# Altium PCB ir-24v-shit5-7-v2.PcbDoc (part 4 of 5)
Units mm, origin at the board's own origin, x right, y up, seen from the top; angles counter-clockwise.
Board outline 326.8 x 258 mm, 2 copper layers (Top Layer, Bottom Layer); 1008 components, 31 nets, 2786 pads, 0 vias.
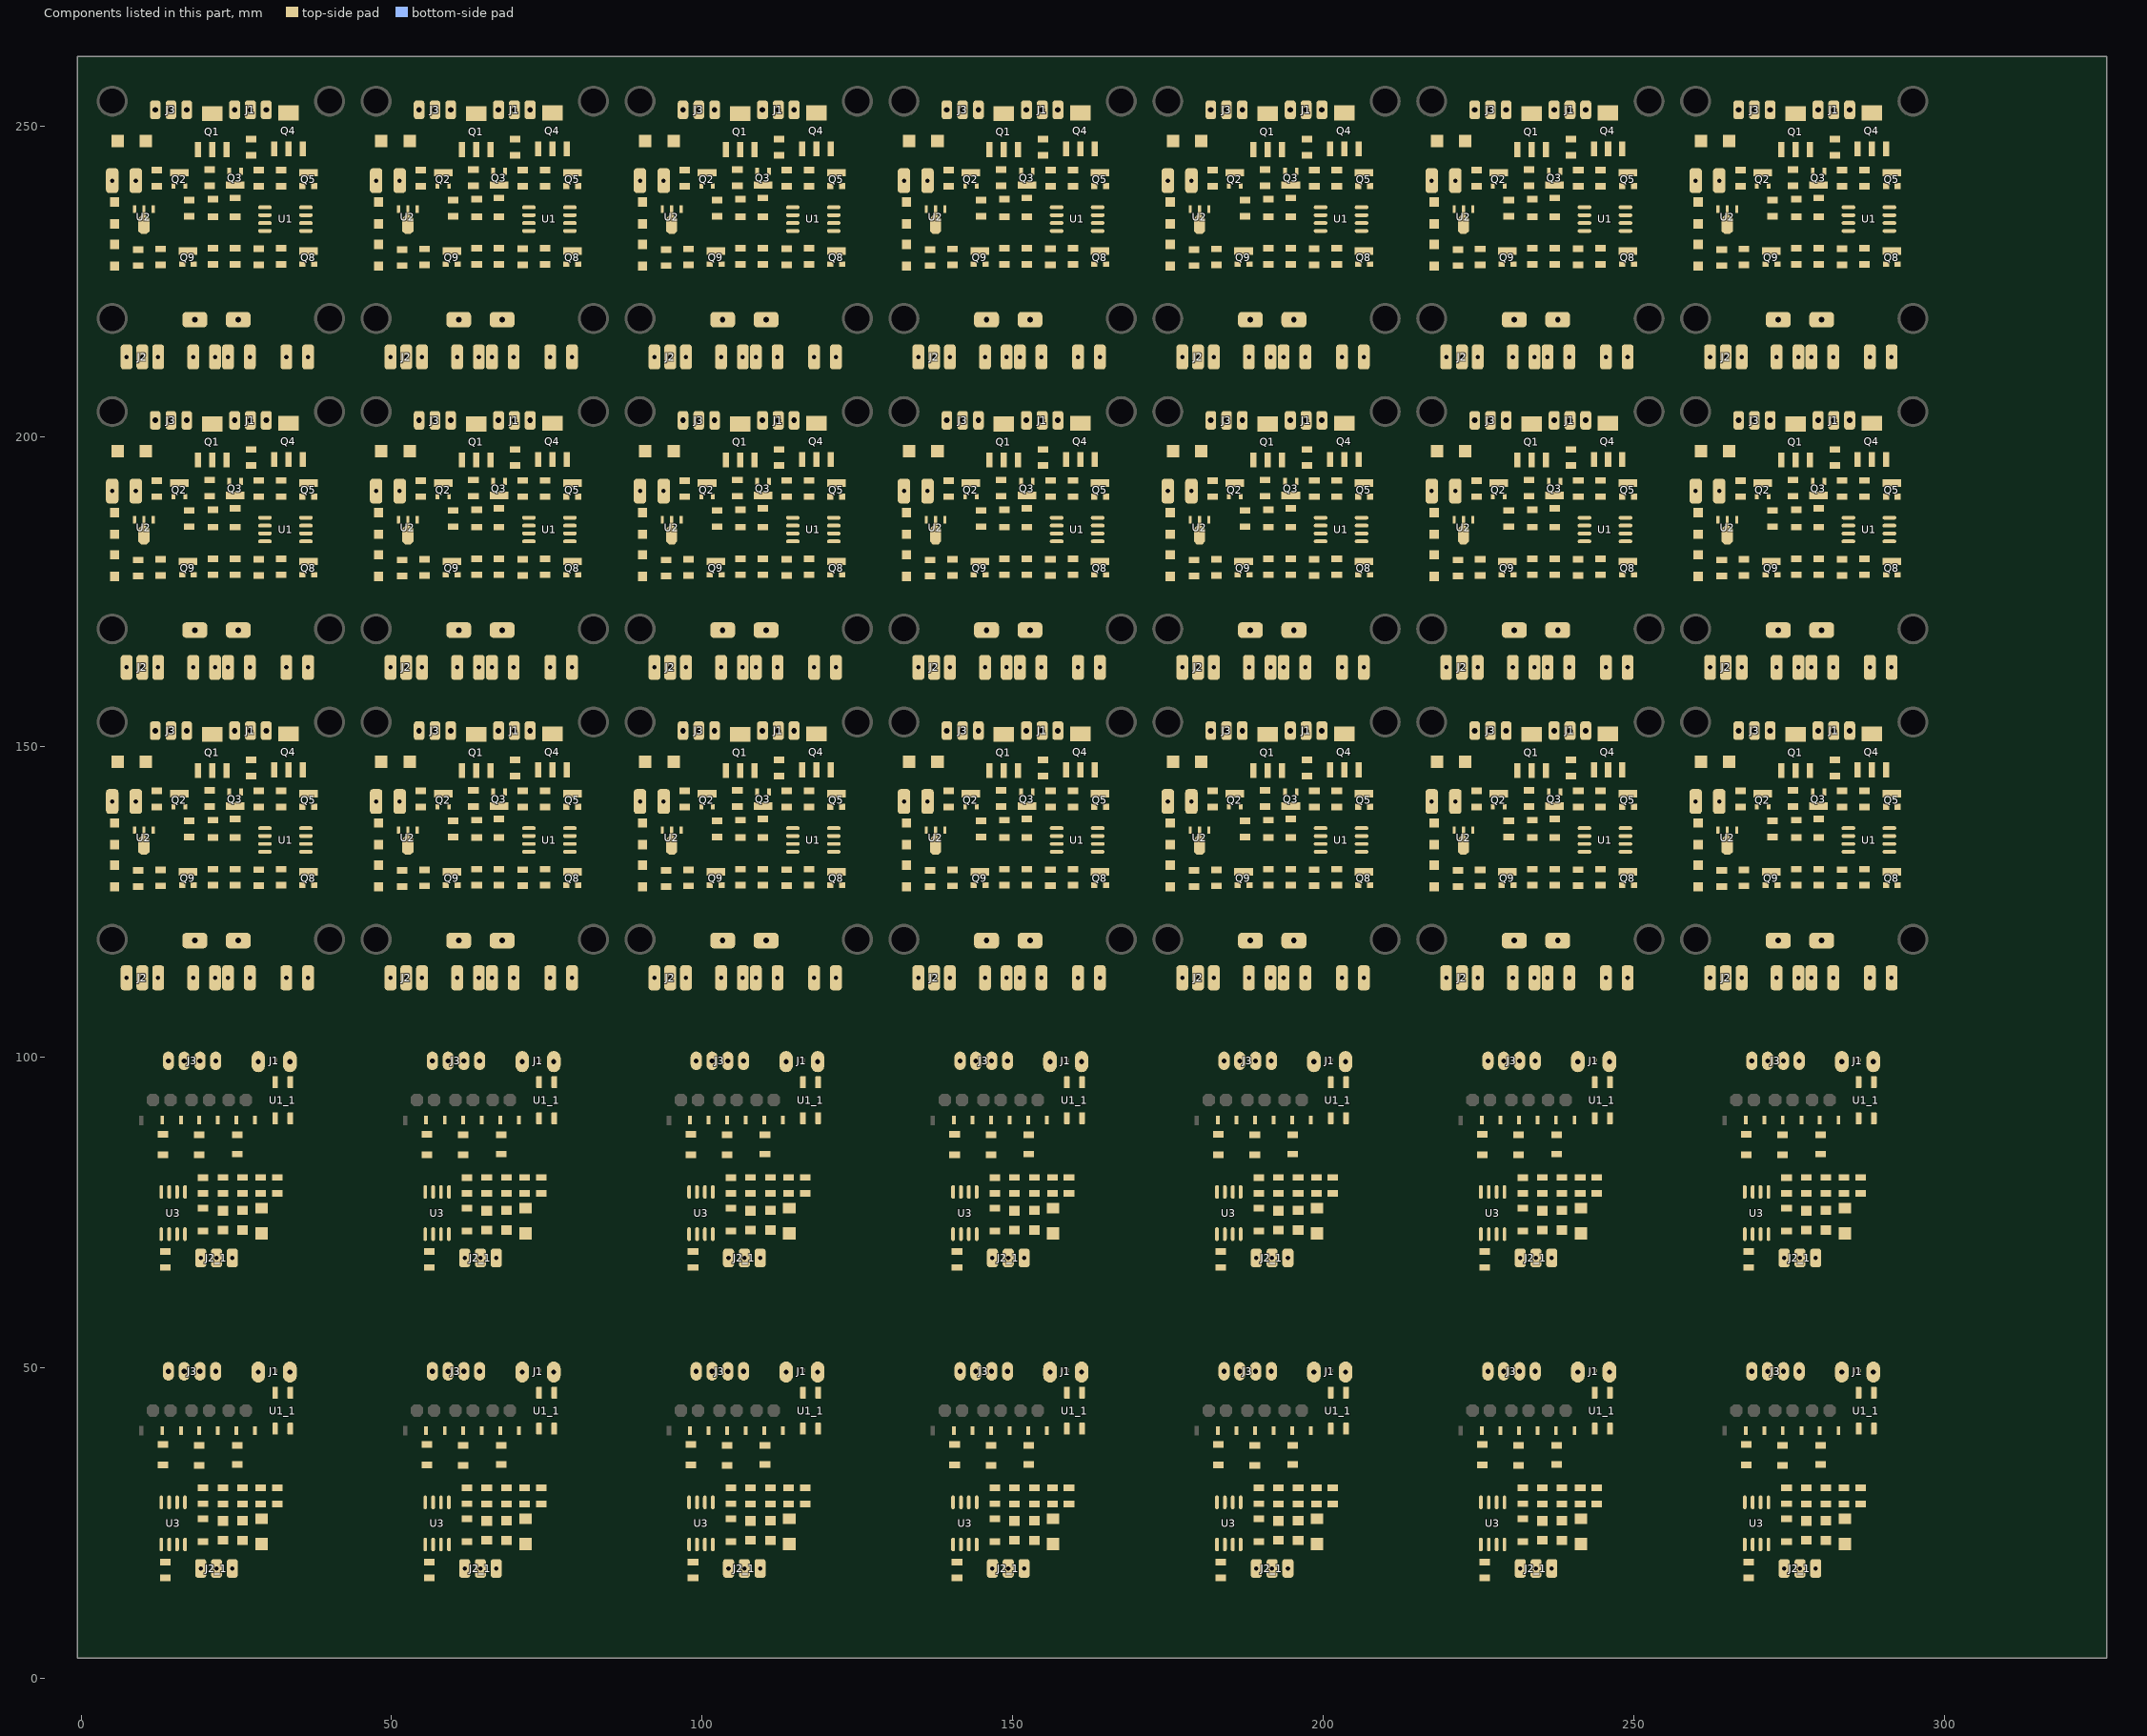
[diagram p4: the components of this part, seen from the top]

## Nets (pads, with @x,y where several pads share a name; then routed paths per layer and width w, separated by ;. In a path a pad name is that pad's centre, name@x,y a point inside that pad or via, vN(x,y) a via of type N, cw(c..) or ccw(c..) an arc to the next point about the centre after c; other vN are vias at no path point) (continued)
copper on no net: (continued)
  Top Layer w0.65: 12.908,21.516 12.908,21.519 12.908,23.31 ; 12.908,71.516 12.908,71.519 12.908,73.31 ; 14.178,28.319 14.178,31.355 14.173,31.36 14.173,33.621 14.178,33.626 ; 14.178,78.319 14.178,81.355 14.173,81.36 14.173,83.621 14.178,83.626 ; 15.448,19.458 15.448,20.744 ; 15.448,29.094 15.448,32.92 ; 15.448,69.458 15.448,70.744 ; 15.448,79.094 15.448,82.92 ; 16.718,28.451 16.718,31.396 17.861,32.539 20.401,32.539 22.263,34.401 25.122,34.401 ; 16.718,78.451 16.718,81.396 17.861,82.539 20.401,82.539 22.263,84.401 25.122,84.401 ; 55.408,21.516 55.408,21.519 55.408,23.31 ; 55.408,71.516 55.408,71.519 55.408,73.31 ; 56.678,28.319 56.678,31.355 56.673,31.36 56.673,33.621 56.678,33.626 ; 56.678,78.319 56.678,81.355 56.673,81.36 56.673,83.621 56.678,83.626 ; 57.948,19.458 57.948,20.744 ; 57.948,29.094 57.948,32.92 ; 57.948,69.458 57.948,70.744 ; 57.948,79.094 57.948,82.92 ; 59.218,28.451 59.218,31.396 60.361,32.539 62.901,32.539 64.763,34.401 67.622,34.401 ; 59.218,78.451 59.218,81.396 60.361,82.539 62.901,82.539 64.763,84.401 67.622,84.401 ; 97.908,21.516 97.908,21.519 97.908,23.31 ; 97.908,71.516 97.908,71.519 97.908,73.31 ; 99.178,28.319 99.178,31.355 99.173,31.36 99.173,33.621 99.178,33.626 ; 99.178,78.319 99.178,81.355 99.173,81.36 99.173,83.621 99.178,83.626 ; 100.448,19.458 100.448,20.744 ; 100.448,29.094 100.448,32.92 ; 100.448,69.458 100.448,70.744 ; 100.448,79.094 100.448,82.92 ; 101.718,28.451 101.718,31.396 102.861,32.539 105.401,32.539 107.263,34.401 110.122,34.401 ; 101.718,78.451 101.718,81.396 102.861,82.539 105.401,82.539 107.263,84.401 110.122,84.401 ; 140.408,21.516 140.408,21.519 140.408,23.31 ; 140.408,71.516 140.408,71.519 140.408,73.31 ; 141.678,28.319 141.678,31.355 141.673,31.36 141.673,33.621 141.678,33.626 ; 141.678,78.319 141.678,81.355 141.673,81.36 141.673,83.621 141.678,83.626 ; 142.948,19.458 142.948,20.744 ; 142.948,29.094 142.948,32.92 ; 142.948,69.458 142.948,70.744 ; 142.948,79.094 142.948,82.92 ; 144.218,28.451 144.218,31.396 145.361,32.539 147.901,32.539 149.763,34.401 152.622,34.401 ; 144.218,78.451 144.218,81.396 145.361,82.539 147.901,82.539 149.763,84.401 152.622,84.401 ; 182.908,21.516 182.908,21.519 182.908,23.31 ; 182.908,71.516 182.908,71.519 182.908,73.31 ; 184.178,28.319 184.178,31.355 184.173,31.36 184.173,33.621 184.178,33.626 ; 184.178,78.319 184.178,81.355 184.173,81.36 184.173,83.621 184.178,83.626 ; 185.448,19.458 185.448,20.744 ; 185.448,29.094 185.448,32.92 ; 185.448,69.458 185.448,70.744 ; 185.448,79.094 185.448,82.92 ; 186.718,28.451 186.718,31.396 187.861,32.539 190.401,32.539 192.263,34.401 195.122,34.401 ; 186.718,78.451 186.718,81.396 187.861,82.539 190.401,82.539 192.263,84.401 195.122,84.401 ; 225.408,21.516 225.408,21.519 225.408,23.31 ; 225.408,71.516 225.408,71.519 225.408,73.31 ; 226.678,28.319 226.678,31.355 226.673,31.36 226.673,33.621 226.678,33.626 ; 226.678,78.319 226.678,81.355 226.673,81.36 226.673,83.621 226.678,83.626 ; 227.948,19.458 227.948,20.744 ; 227.948,29.094 227.948,32.92 ; 227.948,69.458 227.948,70.744 ; 227.948,79.094 227.948,82.92 ; 229.218,28.451 229.218,31.396 230.361,32.539 232.901,32.539 234.763,34.401 237.622,34.401 ; 229.218,78.451 229.218,81.396 230.361,82.539 232.901,82.539 234.763,84.401 237.622,84.401 ; 267.908,21.516 267.908,21.519 267.908,23.31 ; 267.908,71.516 267.908,71.519 267.908,73.31 ; 269.178,28.319 269.178,31.355 269.173,31.36 269.173,33.621 269.178,33.626 ; 269.178,78.319 269.178,81.355 269.173,81.36 269.173,83.621 269.178,83.626 ; 270.448,19.458 270.448,20.744 ; 270.448,29.094 270.448,32.92 ; 270.448,69.458 270.448,70.744 ; 270.448,79.094 270.448,82.92 ; 271.718,28.451 271.718,31.396 272.861,32.539 275.401,32.539 277.263,34.401 280.122,34.401 ; 271.718,78.451 271.718,81.396 272.861,82.539 275.401,82.539 277.263,84.401 280.122,84.401
  Top Layer w0.7: 7.52,113.4 7.801,113.681 7.801,116.401 8.6,117.2 8.6,126.905 ; 7.52,163.4 7.801,163.681 7.801,166.401 8.6,167.2 8.6,176.905 ; 7.52,213.4 7.801,213.681 7.801,216.401 8.6,217.2 8.6,226.905 ; 8.6,127.167 8.6,126.905 ; 8.6,177.167 8.6,176.905 ; 8.6,227.167 8.6,226.905 ; 9.2,127.505 8.875,127.505 8.7,127.33 8.7,127.005 8.6,126.905 ; 9.2,177.505 8.875,177.505 8.7,177.33 8.7,177.005 8.6,176.905 ; 9.2,227.505 8.875,227.505 8.7,227.33 8.7,227.005 8.6,226.905 ; 13.487,34.317 14.178,33.626 ; 13.487,84.317 14.178,83.626 ; 15.448,32.92 16.802,34.274 ; 15.448,82.92 16.802,84.274 ; 28.4,140.2 31.2,140.2 32.6,140.2 34.2,138.6 37.84,138.6 38.25,138.19 38.25,136.045 37.84,135.635 36,135.635 ; 28.4,190.2 31.2,190.2 32.6,190.2 34.2,188.6 37.84,188.6 38.25,188.19 38.25,186.045 37.84,185.635 36,185.635 ; 28.4,240.2 31.2,240.2 32.6,240.2 34.2,238.6 37.84,238.6 38.25,238.19 38.25,236.045 37.84,235.635 36,235.635 ; 50.02,113.4 50.301,113.681 50.301,116.401 51.1,117.2 51.1,126.905 ; 50.02,163.4 50.301,163.681 50.301,166.401 51.1,167.2 51.1,176.905 ; 50.02,213.4 50.301,213.681 50.301,216.401 51.1,217.2 51.1,226.905 ; 51.1,127.167 51.1,126.905 ; 51.1,177.167 51.1,176.905 ; 51.1,227.167 51.1,226.905 ; 51.7,127.505 51.375,127.505 51.2,127.33 51.2,127.005 51.1,126.905 ; 51.7,177.505 51.375,177.505 51.2,177.33 51.2,177.005 51.1,176.905 ; 51.7,227.505 51.375,227.505 51.2,227.33 51.2,227.005 51.1,226.905 ; 55.987,34.317 56.678,33.626 ; 55.987,84.317 56.678,83.626 ; 57.948,32.92 59.302,34.274 ; 57.948,82.92 59.302,84.274 ; 70.9,140.2 73.7,140.2 75.1,140.2 76.7,138.6 80.34,138.6 80.75,138.19 80.75,136.045 80.34,135.635 78.5,135.635 ; 70.9,190.2 73.7,190.2 75.1,190.2 76.7,188.6 80.34,188.6 80.75,188.19 80.75,186.045 80.34,185.635 78.5,185.635 ; 70.9,240.2 73.7,240.2 75.1,240.2 76.7,238.6 80.34,238.6 80.75,238.19 80.75,236.045 80.34,235.635 78.5,235.635 ; 92.52,113.4 92.801,113.681 92.801,116.401 93.6,117.2 93.6,126.905 ; 92.52,163.4 92.801,163.681 92.801,166.401 93.6,167.2 93.6,176.905 ; 92.52,213.4 92.801,213.681 92.801,216.401 93.6,217.2 93.6,226.905 ; 93.6,127.167 93.6,126.905 ; 93.6,177.167 93.6,176.905 ; 93.6,227.167 93.6,226.905 ; 94.2,127.505 93.875,127.505 93.7,127.33 93.7,127.005 93.6,126.905 ; 94.2,177.505 93.875,177.505 93.7,177.33 93.7,177.005 93.6,176.905 ; 94.2,227.505 93.875,227.505 93.7,227.33 93.7,227.005 93.6,226.905 ; 98.487,34.317 99.178,33.626 ; 98.487,84.317 99.178,83.626 ; 100.448,32.92 101.802,34.274 ; 100.448,82.92 101.802,84.274 ; 113.4,140.2 116.2,140.2 117.6,140.2 119.2,138.6 122.84,138.6 123.25,138.19 123.25,136.045 122.84,135.635 121,135.635 ; 113.4,190.2 116.2,190.2 117.6,190.2 119.2,188.6 122.84,188.6 123.25,188.19 123.25,186.045 122.84,185.635 121,185.635 ; 113.4,240.2 116.2,240.2 117.6,240.2 119.2,238.6 122.84,238.6 123.25,238.19 123.25,236.045 122.84,235.635 121,235.635 ; 135.02,113.4 135.301,113.681 135.301,116.401 136.1,117.2 136.1,126.905 ; 135.02,163.4 135.301,163.681 135.301,166.401 136.1,167.2 136.1,176.905 ; 135.02,213.4 135.301,213.681 135.301,216.401 136.1,217.2 136.1,226.905 ; 136.1,127.167 136.1,126.905 ; 136.1,177.167 136.1,176.905 ; 136.1,227.167 136.1,226.905 ; 136.7,127.505 136.375,127.505 136.2,127.33 136.2,127.005 136.1,126.905 ; 136.7,177.505 136.375,177.505 136.2,177.33 136.2,177.005 136.1,176.905 ; 136.7,227.505 136.375,227.505 136.2,227.33 136.2,227.005 136.1,226.905 ; 140.987,34.317 141.678,33.626 ; 140.987,84.317 141.678,83.626 ; 142.948,32.92 144.302,34.274 ; 142.948,82.92 144.302,84.274 ; 155.9,140.2 158.7,140.2 160.1,140.2 161.7,138.6 165.34,138.6 165.75,138.19 165.75,136.045 165.34,135.635 163.5,135.635 ; 155.9,190.2 158.7,190.2 160.1,190.2 161.7,188.6 165.34,188.6 165.75,188.19 165.75,186.045 165.34,185.635 163.5,185.635 ; 155.9,240.2 158.7,240.2 160.1,240.2 161.7,238.6 165.34,238.6 165.75,238.19 165.75,236.045 165.34,235.635 163.5,235.635 ; 177.52,113.4 177.801,113.681 177.801,116.401 178.6,117.2 178.6,126.905 ; 177.52,163.4 177.801,163.681 177.801,166.401 178.6,167.2 178.6,176.905 ; 177.52,213.4 177.801,213.681 177.801,216.401 178.6,217.2 178.6,226.905 ; 178.6,127.167 178.6,126.905 ; 178.6,177.167 178.6,176.905 ; 178.6,227.167 178.6,226.905 ; 179.2,127.505 178.875,127.505 178.7,127.33 178.7,127.005 178.6,126.905 ; 179.2,177.505 178.875,177.505 178.7,177.33 178.7,177.005 178.6,176.905 ; 179.2,227.505 178.875,227.505 178.7,227.33 178.7,227.005 178.6,226.905 ; 183.487,34.317 184.178,33.626 ; 183.487,84.317 184.178,83.626 ; 185.448,32.92 186.802,34.274 ; 185.448,82.92 186.802,84.274 ; 198.4,140.2 201.2,140.2 202.6,140.2 204.2,138.6 207.84,138.6 208.25,138.19 208.25,136.045 207.84,135.635 206,135.635 ; 198.4,190.2 201.2,190.2 202.6,190.2 204.2,188.6 207.84,188.6 208.25,188.19 208.25,186.045 207.84,185.635 206,185.635 ; 198.4,240.2 201.2,240.2 202.6,240.2 204.2,238.6 207.84,238.6 208.25,238.19 208.25,236.045 207.84,235.635 206,235.635 ; 220.02,113.4 220.301,113.681 220.301,116.401 221.1,117.2 221.1,126.905 ; 220.02,163.4 220.301,163.681 220.301,166.401 221.1,167.2 221.1,176.905 ; 220.02,213.4 220.301,213.681 220.301,216.401 221.1,217.2 221.1,226.905 ; 221.1,127.167 221.1,126.905 ; 221.1,177.167 221.1,176.905 ; 221.1,227.167 221.1,226.905 ; 221.7,127.505 221.375,127.505 221.2,127.33 221.2,127.005 221.1,126.905 ; 221.7,177.505 221.375,177.505 221.2,177.33 221.2,177.005 221.1,176.905 ; 221.7,227.505 221.375,227.505 221.2,227.33 221.2,227.005 221.1,226.905 ; 225.987,34.317 226.678,33.626 ; 225.987,84.317 226.678,83.626 ; 227.948,32.92 229.302,34.274 ; 227.948,82.92 229.302,84.274 ; 240.9,140.2 243.7,140.2 245.1,140.2 246.7,138.6 250.34,138.6 250.75,138.19 250.75,136.045 250.34,135.635 248.5,135.635 ; 240.9,190.2 243.7,190.2 245.1,190.2 246.7,188.6 250.34,188.6 250.75,188.19 250.75,186.045 250.34,185.635 248.5,185.635 ; 240.9,240.2 243.7,240.2 245.1,240.2 246.7,238.6 250.34,238.6 250.75,238.19 250.75,236.045 250.34,235.635 248.5,235.635 ; 262.52,113.4 262.801,113.681 262.801,116.401 263.6,117.2 263.6,126.905 ; 262.52,163.4 262.801,163.681 262.801,166.401 263.6,167.2 263.6,176.905 ; 262.52,213.4 262.801,213.681 262.801,216.401 263.6,217.2 263.6,226.905 ; 263.6,127.167 263.6,126.905 ; 263.6,177.167 263.6,176.905 ; 263.6,227.167 263.6,226.905 ; 264.2,127.505 263.875,127.505 263.7,127.33 263.7,127.005 263.6,126.905 ; 264.2,177.505 263.875,177.505 263.7,177.33 263.7,177.005 263.6,176.905 ; 264.2,227.505 263.875,227.505 263.7,227.33 263.7,227.005 263.6,226.905 ; 268.487,34.317 269.178,33.626 ; 268.487,84.317 269.178,83.626 ; 270.448,32.92 271.802,34.274 ; 270.448,82.92 271.802,84.274 ; 283.4,140.2 286.2,140.2 287.6,140.2 289.2,138.6 292.84,138.6 293.25,138.19 293.25,136.045 292.84,135.635 291,135.635 ; 283.4,190.2 286.2,190.2 287.6,190.2 289.2,188.6 292.84,188.6 293.25,188.19 293.25,186.045 292.84,185.635 291,185.635 ; 283.4,240.2 286.2,240.2 287.6,240.2 289.2,238.6 292.84,238.6 293.25,238.19 293.25,236.045 292.84,235.635 291,235.635
  Top Layer w0.75: 12.908,23.31 13.374,23.776 21.29,23.776 22.214,24.7 ; 12.908,73.31 13.374,73.776 21.29,73.776 22.214,74.7 ; 16.802,34.274 19.004,34.274 ; 16.802,84.274 19.004,84.274 ; 55.408,23.31 55.874,23.776 63.79,23.776 64.714,24.7 ; 55.408,73.31 55.874,73.776 63.79,73.776 64.714,74.7 ; 59.302,34.274 61.504,34.274 ; 59.302,84.274 61.504,84.274 ; 97.908,23.31 98.374,23.776 106.29,23.776 107.214,24.7 ; 97.908,73.31 98.374,73.776 106.29,73.776 107.214,74.7 ; 101.802,34.274 104.004,34.274 ; 101.802,84.274 104.004,84.274 ; 140.408,23.31 140.874,23.776 148.79,23.776 149.714,24.7 ; 140.408,73.31 140.874,73.776 148.79,73.776 149.714,74.7 ; 144.302,34.274 146.504,34.274 ; 144.302,84.274 146.504,84.274 ; 182.908,23.31 183.374,23.776 191.29,23.776 192.214,24.7 ; 182.908,73.31 183.374,73.776 191.29,73.776 192.214,74.7 ; 186.802,34.274 189.004,34.274 ; 186.802,84.274 189.004,84.274 ; 225.408,23.31 225.874,23.776 233.79,23.776 234.714,24.7 ; 225.408,73.31 225.874,73.776 233.79,73.776 234.714,74.7 ; 229.302,34.274 231.504,34.274 ; 229.302,84.274 231.504,84.274 ; 267.908,23.31 268.374,23.776 276.29,23.776 277.214,24.7 ; 267.908,73.31 268.374,73.776 276.29,73.776 277.214,74.7 ; 271.802,34.274 274.004,34.274 ; 271.802,84.274 274.004,84.274